# Altium PCB PCB 2 layer 10 x 10.PcbDoc (part 1 of 3) (continued)
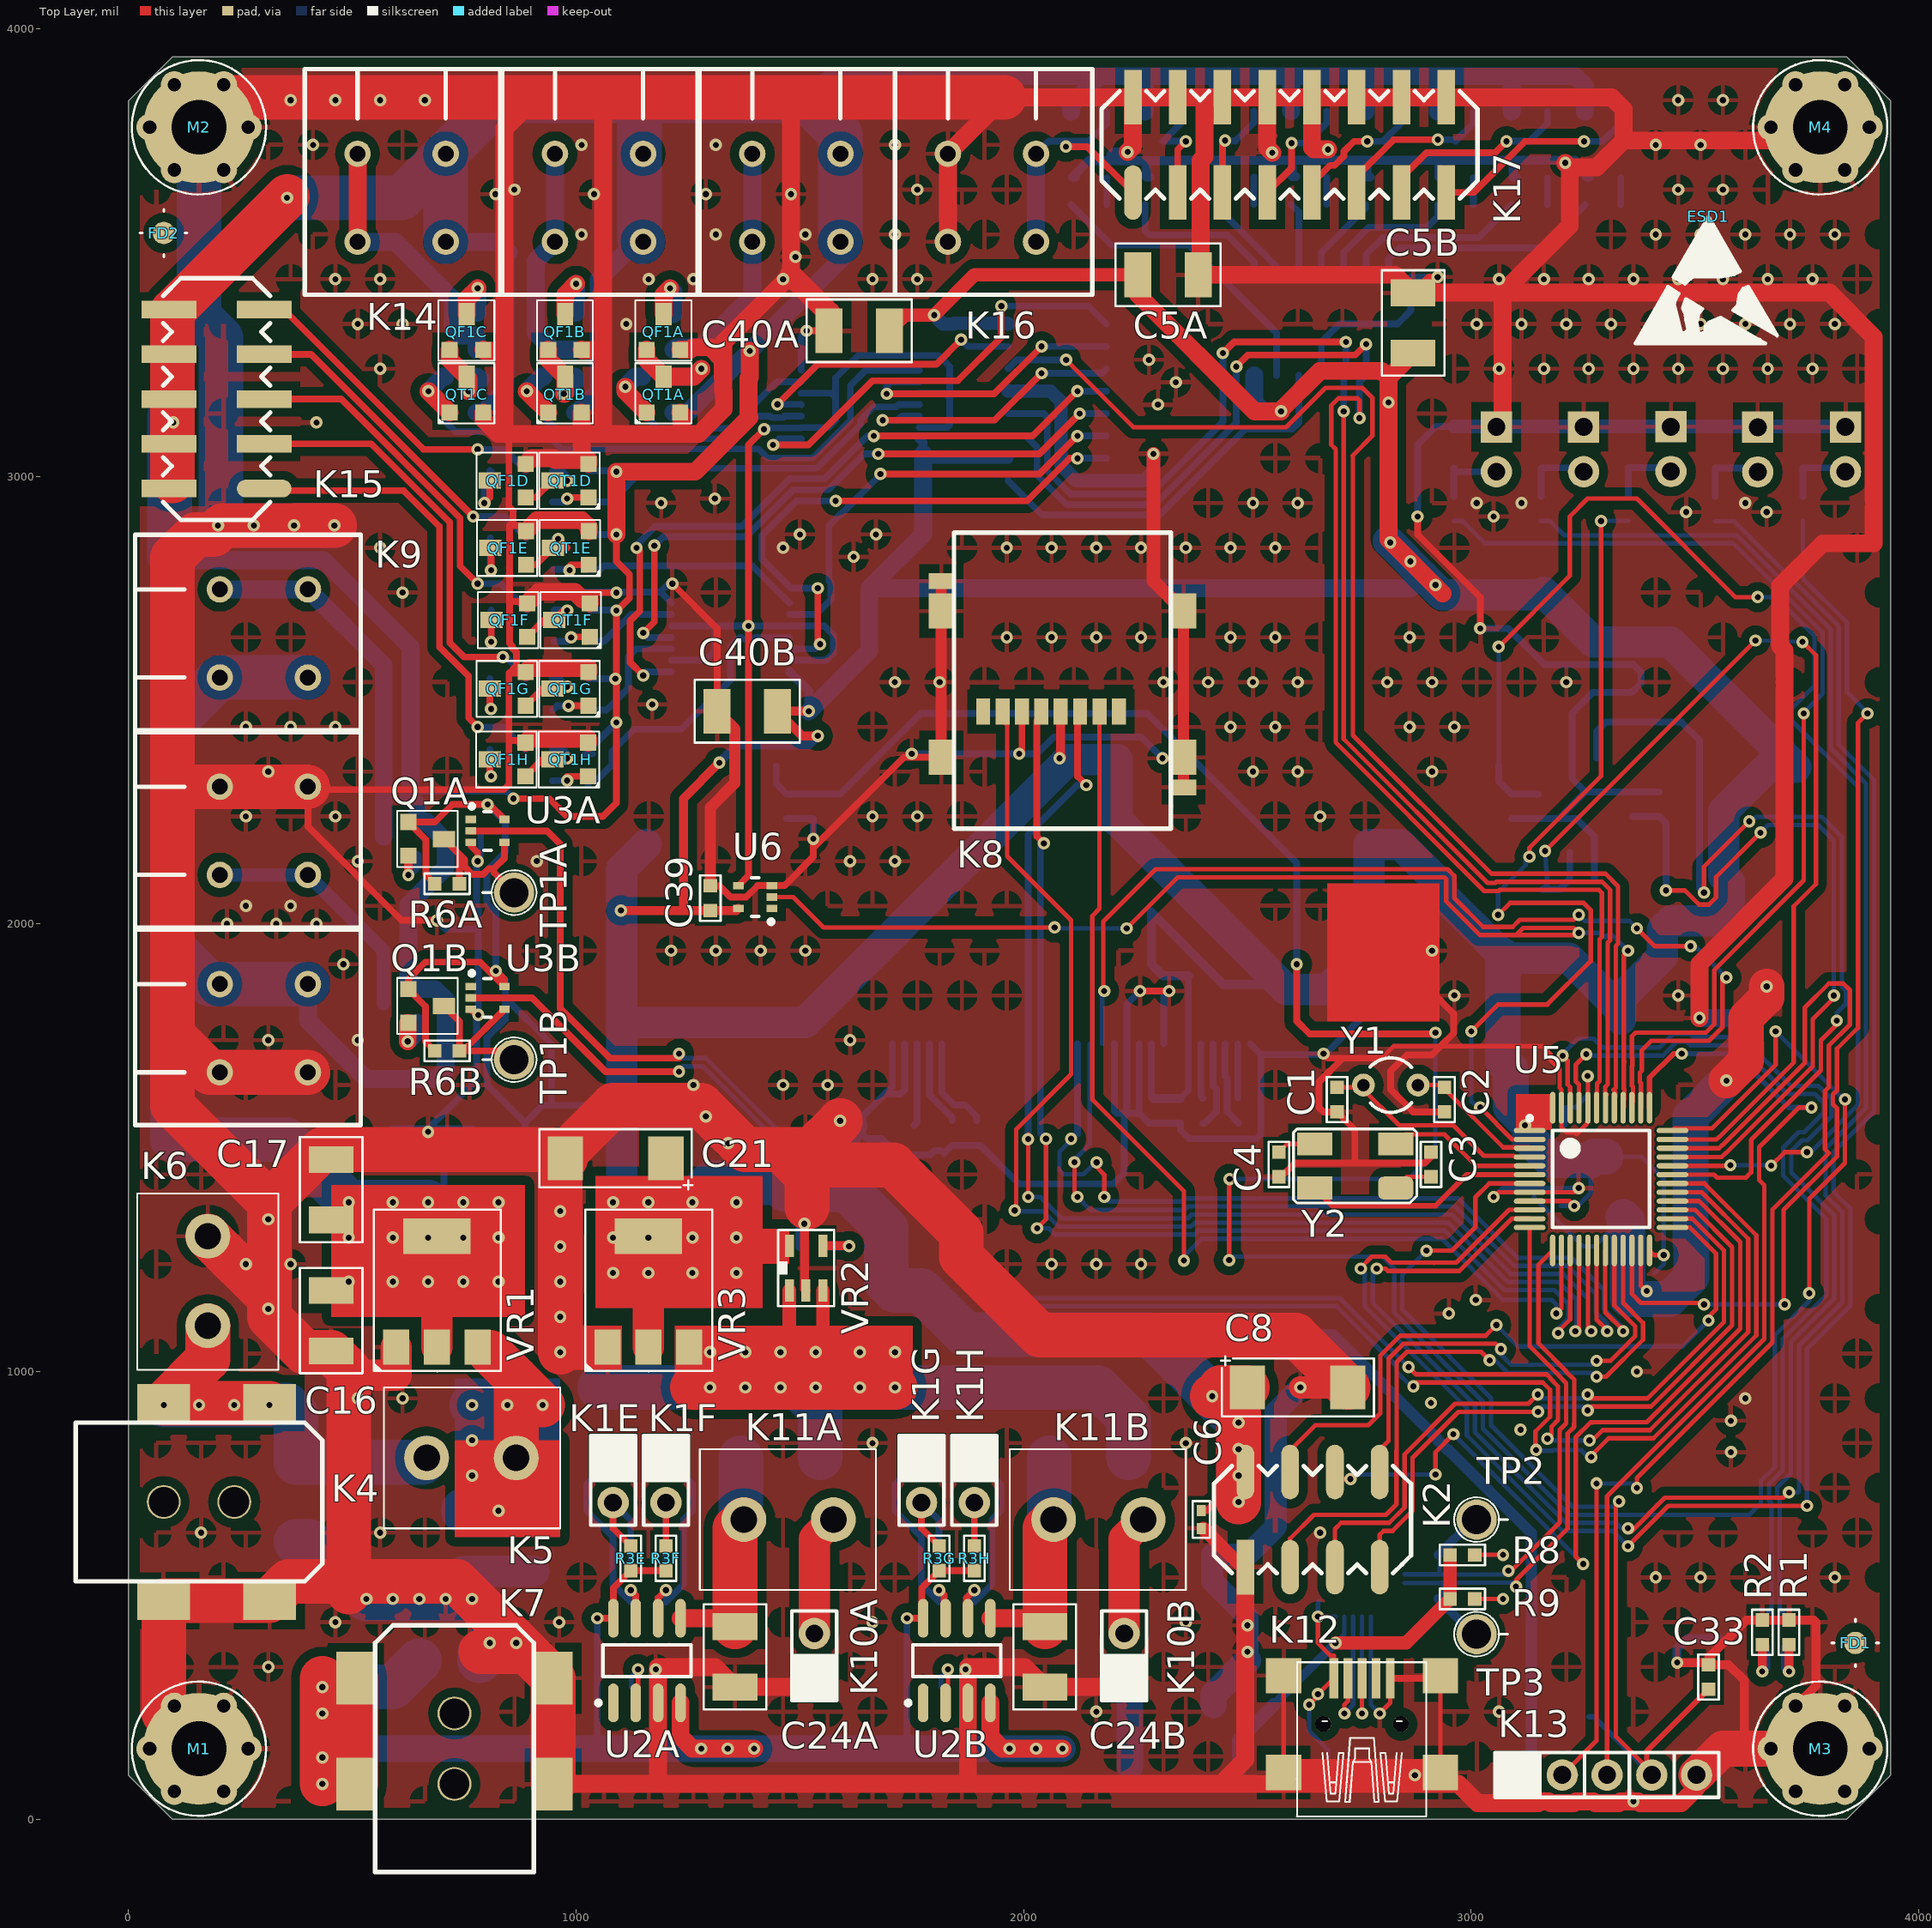
[diagram p0: Top Layer view]
## Design rules (kind name [scope] priority, off if disabled: settings) (continued)
RoomDefinition HC1 [InComponentClass('HC1')] p44: confinementstyle=ConfineIn formatcopy=TRUE lockcomponents=FALSE outline 1902.62,2942.48 1902.62,3377.48 2192.5,3377.48 2192.5,3532.5 2452.5,3532.5 2452.5,3367.5 2247.62,3367.5 2247.62,2942.48
RoomDefinition CLK [InComponentClass('CLK')] p45: confinementstyle=ConfineIn formatcopy=TRUE lockcomponents=FALSE outline 2534.5,1399.5 2534.5,1525.5 2589.8,1525.5 2589.8,1554.84 2664.5,1554.84 2664.5,1670.5 2719.39,1670.5 2719.39,1714.96 2920.61,1714.96 2920.61,1670.5 2975.5,1670.5 2975.5,1544.5 2945.5,1544.5 2945.5,1399.5 2891.3,1399.5 2891.3,1363.58 2589.8,1363.58 2589.8,1399.5
RoomDefinition CH1 [InComponentClass('CH1')] p46: confinementstyle=ConfineIn formatcopy=TRUE lockcomponents=FALSE outline 522.76,2115.37 522.76,2264.37 534.69,2264.37 534.69,2321.91 660.69,2321.91 660.69,2290.5 873.38,2290.5 873.38,2243.17 877.22,2243.17 877.22,2131.87 925.2,2131.87 925.2,2007.87 778.41,2007.87 778.41,2054.06 648.74,2054.06 648.74,2115.37
RoutingVias [All] p1: holewidth=13.78 width=27.56 viastyle="Through Hole" minholewidth=13.78 minwidth=27.56 maxholewidth=28 maxwidth=50
SilkToSilkClearance [All] p1: silktosilkclearance=0
SilkToSolderMaskClearance [IsPad] p1: minsilkscreentomaskgap=0 clearancetoexposedcopper=TRUE
SolderMaskExpansion [All] p1: expansion=4
UnpouredPolygon [All] p1: allowunpoured=FALSE
Width [All] p1: maxlimit=100 minlimit=10 preferedwidth=20
24 further rules are at their usual default settings.

## Classes and differential pairs
net class PB[0..4]: PB0 PB1 PB2 PB3 PB4
net class DIN[0..7]: DIN0 DIN1 DIN2 DIN3 DIN4 DIN5 DIN6 DIN7
component class STBY2: D2H K1H R3H
component class STBY1: D2F K1F R3F
component class SDLED: D2I K1I R3I
component class OLEDLED: D2D K1D R3D
component class nRFLED: D2C K1C R3C
component class IRLED: D2B K1B R3B
component class CHRG2: D2G K1G R3G
component class CHRG1: D2E K1E R3E
channel class "SSR POWER STAGE": SSR1 SSR2 SSR3 SSR4 SSR5 SSR6 SSR7 SSR8
channel class "Quad Nand": NAND1 NAND2
channel class "IR POWER STAGE": IR0 IR1 IR2 IR3 IR4 IR5 IR6 IR7
component class SSR: K16 K17
component class SSR8: QT2H R19H R20H
component class SSR7: QT2G R19G R20G
component class SSR6: QT2F R19F R20F
component class SSR5: QT2E R19E R20E
component class SSR4: QT2D R19D R20D
component class SSR3: QT2C R19C R20C
component class SSR2: QT2B R19B R20B
component class SSR1: QT2A R19A R20A
component class SD: K8
component class RTCLED: D2A K1A R3A
component class OLED: C9 C10 C11 C12 C13 C14 C15 K3 R4
component class NAND2: C40B U7B
component class NAND1: C40A U7A
component class IRL: C39 K14 K15 U6
component class IR7: QF1H QT1H R16H R17H R18H
component class IR6: QF1G QT1G R16G R17G R18G
component class IR5: QF1F QT1F R16F R17F R18F
component class IR4: QF1E QT1E R16E R17E R18E
component class IR3: QF1D QT1D R16D R17D R18D
component class IR2: QF1C QT1C R16C R17C R18C
component class IR1: QF1B QT1B R16B R17B R18B
component class IR0: QF1A QT1A R16A R17A R18A
component class CLK: C1 C2 C3 C4 Y1 Y2
channel class "WS2812B Single Channel": CH1 CH2
channel class LEDs: CHRG1 CHRG2 LD1 LD2 STBY1 STBY2
channel class HC595: HC1 HC2
component class WS: K9
component class UA: C26 C27 D7 D8 D9 K12 R8 R9 R10 TP2 TP3 U4
component class PS: C16 C17 C18 C19 C20 C21 C22 C23 D3 D4 D5 D6 K4 K5 K6 K7 VR1 VR2 VR3
component class PB: C28 C29 C30 C31 C32 R6 R7 R11 R12 R13 R14 R15 SW1 SW2 SW3 SW4 SW5
component class nRF: C6 C7 C8 K2
component class MCU: C33 C34 C35 C36 C37 C38 K13 SW6 U5
component class HC2: C5B U1B
component class HC1: C5A U1A
component class CH2: C25B Q1B Q2B R4_CH2 R5_CH2 R6B R7B TP1B U3B
component class CH1: C25A Q1A Q2A R4_CH1 R5_CH1 R6A R7A TP1A U3A
component class "General Overview": D1 ESD1 FD1 FD2 M1 M2 M3 M4 R1 R2
component class BAT1: C24A K10A K11A R2_BAT1 R3_BAT1 R5A U2A
component class BAT2: C24B K10B K11B R2_BAT2 R3_BAT2 R5B U2B
channel class Batterycharger: BAT1 BAT2
component class 3V30: D10A R21A
component class 5V00: D10B R21B
channel class "LEDs 0805": 3V30 5V00

## Components (designator, comment, footprint, x,y, rotation, side; value= is the part's Value field where it differs from the comment)
C1 "6n8" 0603C-GENERIC 2700,1580 r90 top
C2 "6n8" 0603C-GENERIC 2940,1580 r90 top
C3 "22pF" 0603C-GENERIC 2910,1490 r270 top
C4 "22pF" 0603C-GENERIC 2570,1490 r270 top
C5A "TBD" 1210C-GENERIC 2255,3450 r0 top (schematic designator C5)
C5B "TBD" 1210C-GENERIC 2870,3275 r90 top (schematic designator C5)
C6 "0402" 0402C-TBD 2396.57,649.61 r90 top
C7 "TBD" 1210C-GENERIC 2421.26,590.55 r90 bottom
C8 "2412 33u25V TANT" 2412C+_TANTAL-33u25V 2500,964.57 r0 top
C9 "TBD" 1210C-GENERIC 2795.28,1830.71 r90 bottom
C10 "1uF" 0603C-GENERIC 2490,1555 r90 bottom
C11 "1uF" 0603C-GENERIC 2400,1610 r270 bottom
C12 "1uF" 0603C-GENERIC 2350,1555 r90 bottom
C13 "1uF" 0603C-GENERIC 2290,1555 r90 bottom
C14 "2n2" 0603C-GENERIC 1840,1560 r270 bottom
C15 "TBD" 1210C-GENERIC 1620,1550 r0 bottom
C16 "TBD" 1210C-GENERIC 452.76,1181.1 r270 top
C17 "TBD" 1210C-GENERIC 452.76,1338.58 r90 top
C18 "TBD" 1210C-GENERIC 905.51,688.98 r270 bottom
C19 "TBD" 1210C-GENERIC 748.03,688.98 r270 bottom
C20 "10uF" 0603C-GENERIC 1555.12,1279.53 r180 bottom
C21 "2412 33u25V TANT" 2412C+_TANTAL-33u25V 1200.79,1476.38 r180 top
C22 "TBD" 1210C-GENERIC 649.61,354.33 r0 bottom
C23 "TBD" 1210C-GENERIC 1102.36,1515.75 r180 bottom
C24A "TBD" 1210C-GENERIC 1355.12,295.28 r90 top (schematic designator C24)
C24B "TBD" 1210C-GENERIC 2047.25,295.28 r90 top (schematic designator C24)
C25A "4n7" 0603C-TBD 841.72,2207.67 r180 bottom (schematic designator C25)
C25B "4n7" 0603C-TBD 841.72,1834.58 r180 bottom (schematic designator C25)
C26 "TBD" 1210C-GENERIC 2679.96,98.43 r0 bottom
C27 "TBD" 1210C-GENERIC 2559.06,255.91 r180 bottom
C28 "4n7" 0603C-TBD 1530,2290 r270 bottom
C29 "4n7" 0603C-TBD 3220,2160 r0 bottom
C30 "4n7" 0603C-TBD 3360,2240 r90 bottom
C31 "4n7" 0603C-TBD 3150,2290 r270 bottom
C32 "4n7" 0603C-TBD 3280,2370 r180 bottom
C33 "0603-100nF" 0603C-TBD 3530,290 r90 top
C34 "0402" 0402C-TBD 3170,1550 r0 bottom
C35 "0402" 0402C-TBD 3170,1590 r0 bottom
C36 "0402" 0402C-TBD 3200,1370 r90 bottom
C37 "0402" 0402C-TBD 3410,1220 r180 bottom
C38 "TBD" 1210C-GENERIC 3340,1480 r270 bottom
C39 "4n7" 0603C-TBD 1300,2030 r90 top
C40A "TBD" 1210C-GENERIC 1700,3325 r180 top (schematic designator C40)
C40B "TBD" 1210C-GENERIC 1450,2475 r180 top (schematic designator C40)
D1 "0603D RD GN Bicolor LED" "0606LED BiCOLOR" 3680,410 r270 bottom
D2A "0805" 0805LED 3351,3065.5 r90 bottom (schematic designator D2)
D2B "0805" 0805LED 2961,3065 r90 bottom (schematic designator D2)
D2C "0805" 0805LED 3741,3065 r90 bottom (schematic designator D2)
D2D "0805" 0805LED 3545,3064.5 r90 bottom (schematic designator D2)
D2E "0805" 0805LED 1122.05,531.5 r270 bottom (schematic designator D2)
D2F "0805" 0805LED 1200.79,531.5 r270 bottom (schematic designator D2)
D2G "0805" 0805LED 1811.02,531.5 r270 bottom (schematic designator D2)
D2H "0805" 0805LED 1889.76,531.5 r270 bottom (schematic designator D2)
D2I "0805" 0805LED 3156,3065 r90 bottom (schematic designator D2)
D3 "Diode" SMB 374.02,708.66 r90 bottom
D4 "Diode" SMB 964.57,964.57 r0 bottom
D5 "Diode" SMB 1456.69,807.09 r0 bottom
D6 "Diode" SMB 2145.67,807.09 r0 bottom
D7 "0805" 0805LED 2972.44,590.55 r180 bottom
D8 "0805" 0805LED 2972.44,492.13 r180 bottom
D9 "0805" 0805LED 2283.46,78.74 r180 bottom
D10A "0805" 0805LED 767.72,1515.75 r90 bottom (schematic designator D10)
D10B "0805" 0805LED 590.55,1515.75 r90 bottom (schematic designator D10)
ESD1 "ESD" ESDSILK 3530,3580 r0 top
FD1 "FIDU-ROUND" FIDU-ROUND 3858.27,393.7 r0 top
FD2 "FIDU-ROUND" FIDU-ROUND 78.74,3543.31 r0 top
K1A "HEADER-1X2" HEADER-1X2 3446,3110.5 r180 bottom (schematic designator K1)
K1B "HEADER-1X2" HEADER-1X2 3056,3110 r180 bottom (schematic designator K1)
K1C "HEADER-1X2" HEADER-1X2 3836,3110 r180 bottom (schematic designator K1)
K1D "HEADER-1X2" HEADER-1X2 3640,3109.5 r180 bottom (schematic designator K1)
K1E "HEADER-1X2" HEADER-1X2 1082.68,807.09 r0 top (schematic designator K1)
K1F "HEADER-1X2" HEADER-1X2 1200.79,807.09 r0 top (schematic designator K1)
K1G "HEADER-1X2" HEADER-1X2 1771.65,807.09 r0 top (schematic designator K1)
K1H "HEADER-1X2" HEADER-1X2 1889.76,807.09 r0 top (schematic designator K1)
K1I "HEADER-1X2" HEADER-1X2 3251,3110 r180 bottom (schematic designator K1)
K2 "Communication_ISM_nRF24L01+" nRF24L01+_SMD 2795.28,669.29 r270 top
K3 "SSD1306_128x64_OLED" SSD1306_128x64_OLED 2106.3,1692.91 r180 bottom
K4 "ADC_028" ADC-028 -118.11,708.66 r270 top
K5 "Connector_Terminal_THT_PRKR2 - Detachable" PRKR2-DET 866.14,807.09 r90 top
K6 "Screwterminal" PRKR2-DET 177.17,1102.36 r0 top
K7 "ADC_028" ADC-028 728.35,-118.11 r0 top
K8 "SCHD3A0100" SCHD3A0100 2086.61,2874.02 r0 top
K9 "Connector_Terminal_THT_KF235-5.0-6p" KF235-5.0-6p 400.83,1668.54 r0 top
K10A "HEADER-1X2" HEADER-1X2 1532.28,314.96 r180 top (schematic designator K10)
K10B "HEADER-1X2" HEADER-1X2 2224.41,314.96 r180 top (schematic designator K10)
K11A "Connector_Terminal_THT_PRKR2 - Detachable" PRKR2-DET 1374.8,669.29 r270 top (schematic designator K11)
K11B "Connector_Terminal_THT_PRKR2 - Detachable" PRKR2-DET 2066.93,669.29 r270 top (schematic designator K11)
K12 "USB_F_MINI" USB_F_MINI 2755.91,314.96 r90 top
K13 "SWD-1X5" HEADER-1X5 3103.31,98.78 r90 top
K14 "Connector_Terminal_THT_KF235-5.0-6p" KF235-5.0-6p 511.81,3523.62 r270 top
K15 "Header_M_SMD_5x2" "Header_Male_2.54 5x2" 196.85,2972.44 r180 top
K16 "Connector_Terminal_THT_KF235-5.0-2p" KF235-5.0-2p 1830.71,3523.62 r270 top
K17 "Header_M_SMD_8x2" "Header_Male_2.54 8x2" 2244.09,3740.16 r90 top
M1 "M" MOUNTING 157.48,157.48 r0 top
M2 "M" MOUNTING 157.48,3779.53 r0 top
M3 "M" MOUNTING 3779.53,157.48 r0 top
M4 "M" MOUNTING 3779.53,3779.53 r0 top
Q1A "BSS138" SOT23-GDS 625.19,2227.35 r0 top (schematic designator Q1)
Q1B "BSS138" SOT23-GDS 625.19,1854.26 r0 top (schematic designator Q1)
Q2A "BSS138" SOT23-GDS 644.87,2227.35 r180 bottom (schematic designator Q2)
Q2B "BSS138" SOT23-GDS 644.87,1854.26 r180 bottom (schematic designator Q2)
QF1A "BSS138" SOT23-GDS 1157.5,3282.5 r90 top (schematic designator QF1)
QF1B "BSS138" SOT23-GDS 937.5,3282.5 r90 top (schematic designator QF1)
QF1C "BSS138" SOT23-GDS 717.5,3282.5 r90 top (schematic designator QF1)
QF1D "BSS138" SOT23-GDS 887.5,2952.5 r180 top (schematic designator QF1)
QF1E "BSS138" SOT23-GDS 888.37,2802.26 r180 top (schematic designator QF1)
QF1F "BSS138" SOT23-GDS 890.83,2641.02 r180 top (schematic designator QF1)
QF1G "BSS138" SOT23-GDS 887.5,2487.5 r180 top (schematic designator QF1)
QF1H "BSS138" SOT23-GDS 887.05,2329.76 r180 top (schematic designator QF1)
QT1A "BC847B" SOT23-BCE 1157.5,3142.5 r90 top (schematic designator QT1)
QT1B "BC847B" SOT23-BCE 937.5,3142.5 r90 top (schematic designator QT1)
QT1C "BC847B" SOT23-BCE 717.5,3142.5 r90 top (schematic designator QT1)
QT1D "BC847B" SOT23-BCE 1027.5,2952.5 r180 top (schematic designator QT1)
QT1E "BC847B" SOT23-BCE 1028.37,2802.26 r180 top (schematic designator QT1)
QT1F "BC847B" SOT23-BCE 1030.83,2641.02 r180 top (schematic designator QT1)
QT1G "BC847B" SOT23-BCE 1027.5,2487.5 r180 top (schematic designator QT1)
QT1H "BC847B" SOT23-BCE 1027.05,2329.76 r180 top (schematic designator QT1)
QT2A "BC847B" SOT23-BCE 2183.85,3668.56 r90 bottom (schematic designator QT2)
QT2B "BC847B" SOT23-BCE 2349.2,3668.56 r90 bottom (schematic designator QT2)
QT2C "BC847B" SOT23-BCE 2511.99,3669.82 r90 bottom (schematic designator QT2)
QT2D "BC847B" SOT23-BCE 2675.34,3669.48 r90 bottom (schematic designator QT2)
QT2E "BC847B" SOT23-BCE 2841.33,3668.56 r90 bottom (schematic designator QT2)
QT2F "BC847B" SOT23-BCE 3002.74,3668.56 r90 bottom (schematic designator QT2)
QT2G "BC847B" SOT23-BCE 3168.1,3668.56 r90 bottom (schematic designator QT2)
QT2H "BC847B" SOT23-BCE 3331.89,3668.49 r90 bottom (schematic designator QT2)
R1 "1K" 0603R-1k 3710,390 r90 top
R2 "1K" 0603R-1k 3650,390 r90 top
R3A "0603R-1K5" 0603R-1k5 3351,2955.5 r270 bottom (schematic designator R3)
R3B "0603R-1K5" 0603R-1k5 2961,2955 r270 bottom (schematic designator R3)
R3C "0603R-1K5" 0603R-1k5 3741,2955 r270 bottom (schematic designator R3)
R3D "0603R-1K5" 0603R-1k5 3545,2954.5 r270 bottom (schematic designator R3)
R3E "0603R-1K5" 0603R-1k5 1122.05,610.24 r270 top (schematic designator R3)
R3F "0603R-1K5" 0603R-1k5 1200.79,610.24 r270 top (schematic designator R3)
R3G "0603R-1K5" 0603R-1k5 1811.02,610.24 r270 top (schematic designator R3)
R3H "0603R-1K5" 0603R-1k5 1889.76,610.24 r270 top (schematic designator R3)
R3I "0603R-1K5" 0603R-1k5 3156,2955 r270 bottom (schematic designator R3)
R4 "330K" 0603R-330K 1895,1505 r90 bottom
R5A "1K2" 0603R-GENERIC 1177.95,295.28 r180 bottom (schematic designator R5)
R5B "1K2" 0603R-GENERIC 1870.08,295.28 r180 bottom (schematic designator R5)
R6A "1K" 0603R-1k 684.24,2089.56 r0 top (schematic designator R6)
R6B "1K" 0603R-1k 684.24,1716.47 r0 top (schematic designator R6)
R7A "1K" 0603R-1k 625.19,2286.41 r180 bottom (schematic designator R7)
R7B "1K" 0603R-1k 625.19,1913.32 r180 bottom (schematic designator R7)
R8 "0603R-1K5" 0603R-1k5 2952.76,590.55 r0 top
R9 "0603R-1K5" 0603R-1k5 2952.76,492.13 r0 top
R10 "0603R-1K5" 0603R-1k5 2480.31,78.74 r180 bottom
R11 "10K" 0603R-10K 1470,2290 r270 bottom
R12 "10K" 0603R-10K 3220,2100 r0 bottom
R13 "10K" 0603R-10K 3420,2240 r90 bottom
R14 "10K" 0603R-10K 3090,2290 r270 bottom
R15 "10K" 0603R-10K 3280,2430 r180 bottom
R16A "330R" 0805R-330 1217.5,3282.5 r90 bottom (schematic designator R16)
R16B "330R" 0805R-330 997.5,3282.5 r90 bottom (schematic designator R16)
R16C "330R" 0805R-330 777.5,3282.5 r90 bottom (schematic designator R16)
R16D "330R" 0805R-330 887.5,3012.5 r180 bottom (schematic designator R16)
R16E "330R" 0805R-330 888.37,2862.26 r180 bottom (schematic designator R16)
R16F "330R" 0805R-330 890.83,2701.02 r180 bottom (schematic designator R16)
R16G "330R" 0805R-330 887.5,2547.5 r180 bottom (schematic designator R16)
R16H "330R" 0805R-330 887.05,2389.76 r180 bottom (schematic designator R16)
R17A "220R" 0805R-220 1217.5,3152.5 r90 bottom (schematic designator R17)
R17B "220R" 0805R-220 997.5,3152.5 r90 bottom (schematic designator R17)
R17C "220R" 0805R-220 777.5,3152.5 r90 bottom (schematic designator R17)
R17D "220R" 0805R-220 1017.5,3012.5 r180 bottom (schematic designator R17)
R17E "220R" 0805R-220 1018.37,2862.26 r180 bottom (schematic designator R17)
R17F "220R" 0805R-220 1020.83,2701.02 r180 bottom (schematic designator R17)
R17G "220R" 0805R-220 1017.5,2547.5 r180 bottom (schematic designator R17)
R17H "220R" 0805R-220 1017.05,2389.76 r180 bottom (schematic designator R17)
R18A "220R" 0805R-220 1147.5,3152.5 r90 bottom (schematic designator R18)
R18B "220R" 0805R-220 927.5,3152.5 r90 bottom (schematic designator R18)
R18C "220R" 0805R-220 707.5,3152.5 r90 bottom (schematic designator R18)
R18D "220R" 0805R-220 1017.5,2942.5 r180 bottom (schematic designator R18)
R18E "220R" 0805R-220 1018.37,2792.26 r180 bottom (schematic designator R18)
R18F "220R" 0805R-220 1020.83,2631.02 r180 bottom (schematic designator R18)
R18G "220R" 0805R-220 1017.5,2477.5 r180 bottom (schematic designator R18)
R18H "220R" 0805R-220 1017.05,2319.76 r180 bottom (schematic designator R18)
R19A "330R" 0805R-330 2105.85,3814.56 r0 bottom (schematic designator R19)
R19B "330R" 0805R-330 2271.2,3814.56 r0 bottom (schematic designator R19)
R19C "330R" 0805R-330 2433.99,3815.82 r0 bottom (schematic designator R19)
R19D "330R" 0805R-330 2597.34,3815.48 r0 bottom (schematic designator R19)
R19E "330R" 0805R-330 2763.33,3814.56 r0 bottom (schematic designator R19)
R19F "330R" 0805R-330 2924.74,3814.56 r0 bottom (schematic designator R19)
R19G "330R" 0805R-330 3090.1,3814.56 r0 bottom (schematic designator R19)
R19H "330R" 0805R-330 3253.89,3814.49 r0 bottom (schematic designator R19)
R20A "1K" 0805R-1K 2115.85,3606.56 r0 bottom (schematic designator R20)
R20B "1K" 0805R-1K 2281.2,3606.56 r0 bottom (schematic designator R20)
R20C "1K" 0805R-1K 2443.99,3607.82 r0 bottom (schematic designator R20)
R20D "1K" 0805R-1K 2607.34,3607.48 r0 bottom (schematic designator R20)
R20E "1K" 0805R-1K 2773.33,3606.56 r0 bottom (schematic designator R20)
R20F "1K" 0805R-1K 2934.74,3606.56 r0 bottom (schematic designator R20)
R20G "1K" 0805R-1K 3100.1,3606.56 r0 bottom (schematic designator R20)
R20H "1K" 0805R-1K 3263.89,3606.49 r0 bottom (schematic designator R20)
R21A "0603R-1K5" 0603R-1k5 826.77,1476.38 r0 bottom (schematic designator R21)
R21B "0603R-1K5" 0603R-1k5 649.61,1476.38 r0 bottom (schematic designator R21)
SW1 "SW-PB-BLACK-SMD" SW-PB-SMD 1437.01,2342.52 r180 bottom
SW2 "SW-PB-BLACK-SMD" SW-PB-SMD 3169.29,2066.93 r270 bottom
SW3 "SW-PB-BLACK-SMD" SW-PB-SMD 3444.88,2185.04 r0 bottom
SW4 "SW-PB-BLACK-SMD" SW-PB-SMD 3051.18,2342.52 r180 bottom
SW5 "SW-PB-BLACK-SMD" SW-PB-SMD 3326.77,2460.63 r90 bottom
SW6 "SW-PB-BLACK-SMD" SW-PB-SMD 3273.31,238.78 r0 bottom
TP1A "TESTPOINT" TESTPOINT 861.41,2069.87 r180 top (schematic designator TP1)
TP1B "TESTPOINT" TESTPOINT 861.41,1696.78 r180 top (schematic designator TP1)
TP2 "TESTPOINT" TESTPOINT 3011.81,669.29 r0 top
TP3 "TESTPOINT" TESTPOINT 3011.81,413.39 r0 top
U1A "74595" SO16 2185,3340 r180 bottom (schematic designator U1)
U1B "74595" SO16 2515,3445 r270 bottom (schematic designator U1)
U2A "TP4056" SO8_N 1158.27,354.33 r90 top (schematic designator U2)
U2B "TP4056" SO8_N 1850.39,354.33 r90 top (schematic designator U2)
U3A "74LVC1G17" SOT-353 802.35,2207.67 r0 top (schematic designator U3)
U3B "74LVC1G17" SOT-353 802.35,1834.58 r0 top (schematic designator U3)
U4 "CP2102" QFN-28 2814.96,452.76 r90 bottom
U5 "STM32F051C8T6" LQFP48_N 3290,1430 r0 top
U6 "74LVC1G17" SOT-353 1400,2060 r180 top
U7A "74132" SSOP14 1635,3160 r0 bottom (schematic designator U7)
U7B "74132" SSOP14 1345,2640 r0 bottom (schematic designator U7)
VR1 "AMS1117-5V0-SOT223" SOT223 688.98,1161.42 r0 top
VR2 "LD2985" SOT23-5 1476.38,1181.1 r90 top
VR3 "LD1117-SOT223" SOT223 1161.42,1161.42 r0 top
Y1 "XTAL" R38 2820,1640 r90 top
Y2 "6035" "XTAL 6035" 2740.55,1459.21 r180 top

## Footprints (in the part's own frame and the unit in brackets; to place one, negate y for a bottom-side part, rotate by r counter-clockwise, add the part's x,y. Pads: shape width x height; smd on the part's side, far side on the other; paste and mask are expansions set on the pad)
0402C-TBD [mil]
  rect 25x20 smd: 1(0,0) 2(40,0)
  silkscreen extent -21,-19 61,19, body extent 2,-9 39,9, height 19
0603C-GENERIC [mil] "CAPACITOR 0603"
  rect 30x30 smd: 1(0,0) 2(55,0)
  silkscreen extent -23,-23 78,23, body extent -4,-15 59,15, height 19
0603C-TBD [mil] "CAPACITOR 0603 TBD"
  rect 30x30 smd: 1(0,0) 2(55,0)
  silkscreen extent -23,-23 78,23, body extent -4,-15 59,15, height 19
0603R-1k [mil] "RESISTOR 0603"
  rect 30x30 smd: 1(0,0) 2(55,0)
  silkscreen extent -23,-23 78,23, body extent -4,-15 59,15, height 20
0603R-1k5 [mil] "RESISTOR 0603"
  rect 30x30 smd: 1(0,0) 2(55,0)
  silkscreen extent -23,-23 78,23, body extent -4,-15 59,15, height 20
0603R-10K [mil] "RESISTOR 0603"
  rect 30x30 smd: 1(0,0) 2(55,0)
  silkscreen extent -23,-23 78,23, body extent -4,-15 59,15, height 20
0603R-330K [mil] "RESISTOR 0603"
  rect 30x30 smd: 1(0,0) 2(55,0)
  silkscreen extent -23,-23 78,23, body extent -4,-15 59,15, height 20
0603R-GENERIC [mil] "RESISTOR 0603"
  rect 30x30 smd: 1(0,0) 2(55,0)
  silkscreen extent -23,-23 78,23, body extent -4,-15 59,15, height 19
"0606LED BiCOLOR" [mm]
  oval 0.7x0.4 smd: A1(-0.65,0.55) A2(-0.65,-0.55)
  rect 0.7x0.4 smd: K1(0.65,0.55) K2(0.65,-0.55)
  silkscreen extent 1.2,-0.7 1.2,0.8
0805LED [mm]
  rect 1.25x1.1 smd: A(-1.175,0) K(1.175,0)
  silkscreen extent 2.1,-0.6 2.1,0.59
0805R-1K [mil] "RESISTOR 0805"
  rect 40x50 smd: 1(-10,0) 2(70,0)
  silkscreen extent -40,-35 100,35, body extent -11,-25 70,25, height 27
0805R-220 [mil] "RESISTOR 0805"
  rect 40x50 smd: 1(-10,0) 2(70,0)
  silkscreen extent -40,-35 100,35, body extent -11,-25 70,25, height 27
0805R-330 [mil] "RESISTOR 0805"
  rect 40x50 smd: 1(0,0) 2(80,0)
  silkscreen extent -30,-35 110,35, body extent -1,-25 80,25, height 27
1210C-GENERIC [mil]
  rect 60x100 smd: 1(0,0) 2(135,0)
  silkscreen extent -50,-70 185,70, body extent -10,-50 145,50, height 46
2412C+_TANTAL-33u25V [mm] "33uF - 25V"
  rect 2x2.5 smd: 1(0,0) 2(5.7,0)
  silkscreen extent -1.51,-1.65 7.18,1.77, body extent -0.3,-1.75 6,1.75, height 2.65
ADC-028 [mm]
  round 1.924 hole 1.7: 0(0,5) 1(0,9)
  rect 2.2x3 smd: GND(5.6,11) GND(5.6,5) VCC(-5.6,11) VCC(-5.6,5)
  silkscreen extent -4.5,0 4.5,14
ESDSILK [mil]
  silkscreen extent -164,-283 154,0
FIDU-ROUND [mil]
  round 50 smd: M1(0,0)
  silkscreen extent -53,-53 52,53
HEADER-1X2 [mil]
  rect 70x70 hole 40: 1(0,0)
  round 70 hole 40: 2(0,-100)
  silkscreen extent -50,-150 50,50, body extent -50,-150 50,50, height 470
HEADER-1X5 [mil]
  rect 70x70 hole 40: 1(0,0)
  round 70 hole 40: 2(0,-100) 3(0,-200) 4(0,-300) 5(0,-400)
  silkscreen extent -50,-450 50,50, body extent -50,-450 50,50, height 470
"Header_Male_2.54 5x2" [mm]
  oval 3.1x1 smd: 1(-2.7,0)
  rect 3.1x1 smd: 2(2.7,0) 3(-2.7,-2.54) 4(2.7,-2.54) 5(-2.7,-5.08) 6(2.7,-5.08) 7(-2.7,-7.62) 8(2.7,-7.62) 9(-2.7,-10.16) 10(2.7,-10.16)
  silkscreen extent -3.05,-11.94 3.05,1.78
"Header_Male_2.54 8x2" [mm]
  oval 3.1x1 smd: 1(-2.7,0)
  rect 3.1x1 smd: 2(2.7,0) 3(-2.7,-2.54) 4(2.7,-2.54) 5(-2.7,-5.08) 6(2.7,-5.08) 7(-2.7,-7.62) 8(2.7,-7.62) 9(-2.7,-10.16) 10(2.7,-10.16) 11(-2.7,-12.7) 12(2.7,-12.7) 13(-2.7,-15.24) 14(2.7,-15.24) 15(-2.7,-17.78) 16(2.7,-17.78)
  silkscreen extent -3.05,-19.56 3.05,1.78
KF235-5.0-2p [mm] "Springterminal"
  round 1.5 hole 0.9: 1(-5,0) 1(0,0) 2(-5,5) 2(0,5)
  silkscreen extent -9.8,-3 3,8.2
KF235-5.0-6p [mm] "Springterminal"
  round 1.5 hole 0.9: 1(-5,0) 1(0,0) 2(-5,5) 2(0,5) 3(-5,11.2) 3(0,11.2) 4(-5,16.2) 4(0,16.2) 5(-5,22.4) 5(0,22.4) 6(-5,27.4) 6(0,27.4)
  silkscreen extent -9.8,-3 3,30.5
LQFP48_N [mm] "Thin QFP, 48-Leads, Body 7x7mm, Pitch 0.5mm, IPC Medium Density"
  oval 1.8x0.3 smd: 1(-4.05,2.75) 2(-4.05,2.25) 3(-4.05,1.75) 4(-4.05,1.25) 5(-4.05,0.75) 6(-4.05,0.25) 7(-4.05,-0.25) 8(-4.05,-0.75) 9(-4.05,-1.25) 10(-4.05,-1.75) 11(-4.05,-2.25) 12(-4.05,-2.75) 25(4.05,-2.75) 26(4.05,-2.25) 27(4.05,-1.75) 28(4.05,-1.25) 29(4.05,-0.75) 30(4.05,-0.25) 31(4.05,0.25) 32(4.05,0.75) 33(4.05,1.25) 34(4.05,1.75) 35(4.05,2.25) 36(4.05,2.75)
  oval 0.3x1.8 smd: 13(-2.75,-4.05) 14(-2.25,-4.05) 15(-1.75,-4.05) 16(-1.25,-4.05) 17(-0.75,-4.05) 18(-0.25,-4.05) 19(0.25,-4.05) 20(0.75,-4.05) 21(1.25,-4.05) 22(1.75,-4.05) 23(2.25,-4.05) 24(2.75,-4.05) 37(2.75,4.05) 38(2.25,4.05) 39(1.75,4.05) 40(1.25,4.05) 41(0.75,4.05) 42(0.25,4.05) 43(-0.25,4.05) 44(-0.75,4.05) 45(-1.25,4.05) 46(-1.75,4.05) 47(-2.25,4.05) 48(-2.75,4.05)
  silkscreen extent -4.17,-2.75 2.75,3.57, body extent -3.5,-3.5 3.5,3.5, height 1.6
MOUNTING [mil]
  round 250 hole 122.05: 1(0,0)
  round 60 hole 30: 2(-55,95.26) 3(55,95.26) 4(110,0) 5(55,-95.26) 6(-55,-95.26) 7(-110,0)
  silkscreen extent -150,-150 150,150
nRF24L01+_SMD [mm]
  rect 3.1x1 smd: 1(2.7,-7.62)
  oval 3.1x1 smd: 2(-2.7,-7.62) 3(2.7,-5.08) 4(-2.7,-5.08) 5(2.7,-2.54) 6(-2.7,-2.54) 7(2.7,0) 8(-2.7,0)
  silkscreen extent -3.05,-9.4 3.05,1.78
PRKR2-DET [mm]
  round 2.54 hole 1.505: 1(0,0) 2(0,5.08)
  silkscreen extent -4,-2.5 4,7.5
QFN-28 [mm]
  round 0.2 on Bottom Overlay: 0(0.3,0.6)
  rect 3.25x3.25 smd: 0(2.4,-1.5)
  rrect50% 0.9x0.25 smd: 1(0,0)
  rect 0.9x0.25 smd: 2(0,-0.5) 3(0,-1) 4(0,-1.5) 5(0,-2) 6(0,-2.5) 7(0,-3) 15(4.8,-3) 16(4.8,-2.5) 17(4.8,-2) 18(4.8,-1.5) 19(4.8,-1) 20(4.8,-0.5) 21(4.8,0)
  rect 0.25x0.9 smd: 8(0.9,-3.9) 9(1.4,-3.9) 10(1.9,-3.9) 11(2.4,-3.9) 12(2.9,-3.9) 13(3.4,-3.9) 14(3.9,-3.9) 22(3.9,0.9) 23(3.4,0.9) 24(2.9,0.9) 25(2.4,0.9) 26(1.9,0.9) 27(1.4,0.9) 28(0.9,0.9)
  silkscreen extent -0.1,-4 4.9,1
R38 [mm] "Crystal, Thru-Hole; 2 Leads; Body 3.1 x 8.2 mm (Dia.xH)"
  round 1.3 hole 0.7: 1(0,1.55) 2(0,-1.55)
  silkscreen extent -1.55,-1.19 1.55,1.17
SCHD3A0100 [mm]
  rect 0.8x1.5 smd: 1(3.2,-10.15) 2(2.1,-10.15) 3(1,-10.15) 4(-0.1,-10.15) 5(-1.2,-10.15) 6(-2.3,-10.15) 7(-3.4,-10.15) 8(-4.5,-10.15)
  rect 1.45x2 smd: 6(-6.875,-12.75) 6(-6.875,-4.45) 6(6.875,-12.75) 6(6.875,-4.45)
  rect 1.45x0.9 smd: 6(-6.875,-2.75) 6(6.875,-14.45)
  silkscreen extent -6.15,-16.8 6.15,0
SMB [mm] "DO-214-AA/SMB; 2 C-Bend Leads; Body 5.3 x 3.6 mm, inc. leads (LxW)"
  rect 2.3x2.3 smd: 1(-2.25,0) 2(2.25,0)
  silkscreen extent -3.8,-1.55 4.1,1.55
SO8_N [mm] "SOIC, 8-Leads, Body 4.9x3.9mm, Pitch 1.27mm, IPC Medium Density"
  oval 2.2x0.6 smd: 1(-2.4,1.905) 2(-2.4,0.635) 3(-2.4,-0.635) 4(-2.4,-1.905) 5(2.4,-1.905) 6(2.4,-0.635) 7(2.4,0.635) 8(2.4,1.905)
  silkscreen extent -2.52,-2.5 0.9,2.88, body extent -2,-2.5 2,2.5, height 1.75
SO16 [mil]
  rect 80x24 smd: 1(0,0)
  oval 80x24 smd: 2(0,-50) 3(0,-100) 4(0,-150) 5(0,-200) 6(0,-250) 7(0,-300) 8(0,-350) 9(220,-350) 10(220,-300) 11(220,-250) 12(220,-200) 13(220,-150) 14(220,-100) 15(220,-50) 16(220,0)
  silkscreen extent -50,-385 270,25, body extent -20,-385 240,25, height 61
SOT23-5 [mil]
  rect 50x20 smd: 1(0,0) 2(0,-37) 3(0,-75) 4(100,-75) 5(100,0)
  silkscreen extent -35,-100 135,25, body extent 2,-95 98,20, height 52
SOT23-BCE [mil]
  rect 36x36 smd: B(0,0) E(0,-75)
  rect 50x36 smd: C(80,-38)
  silkscreen extent -25,-100 110,25, body extent -3,-95 94,20, height 41
SOT23-GDS [mil]
  rect 50x36 smd: D(80,-38)
  rect 36x36 smd: G(0,0) S(0,-75)
  silkscreen extent -25,-100 110,25, body extent -3,-95 94,20, height 41
SOT223 [mil]
  rect 59x79 smd: 1(-91,-107) 2(0,-107) 3(91,-107)
  rect 150x79 smd: 4(0,141)
  silkscreen extent -141,-161 143,200, body extent -131,-105 135,162, height 51
SOT-353 [mm] "SOT353"
  rect 0.6x0.42 smd: 1(-0.95,0.65) 2(-0.95,0) 3(-0.95,-0.65) 4(0.95,-0.65) 5(0.95,0.65)
  silkscreen extent -1.02,-1.1 0.2,1.52
SSD1306_128x64_OLED [mm]
  rect 0.4x4 smd: 1(-10.15,1) 10(-3.85,1) 20(3.15,1) 30(10.15,1)
  oval 0.4x4 smd: 2(-9.45,1) 3(-8.75,1) 4(-8.05,1) 5(-7.35,1) 6(-6.65,1) 7(-5.95,1) 8(-5.25,1) 9(-4.55,1) 11(-3.15,1) 12(-2.45,1) 13(-1.75,1) 14(-1.05,1) 15(-0.35,1) 16(0.35,1) 17(1.05,1) 18(1.75,1) 19(2.45,1) 21(3.85,1) 22(4.55,1) 23(5.25,1) 24(5.95,1) 25(6.65,1) 26(7.35,1) 27(8.05,1) 28(8.75,1) 29(9.45,1)
  silkscreen extent -13.5,0 13.5,31.25
SSOP14 [mm] "SOP, 14"
  oval 2.1x0.45 smd: 1(-3.35,1.95) 2(-3.35,1.3) 3(-3.35,0.65) 4(-3.35,0) 5(-3.35,-0.65) 6(-3.35,-1.3) 7(-3.35,-1.95) 8(3.35,-1.95) 9(3.35,-1.3) 10(3.35,-0.65) 11(3.35,0) 12(3.35,0.65) 13(3.35,1.3) 14(3.35,1.95)
  silkscreen extent -3.57,-3.25 2,3.25, body extent -2.7,-3.25 2.7,3.25, height 2
SW-PB-SMD [mil]
  rect 100x50 smd: 1(-10,10)
  oval 100x50 smd: 2(280,-165) 3(-10,-165) 4(280,10)
  silkscreen extent 0,-205 265,50, body extent -28,-206 297,50, height 140
TESTPOINT [mil]
  round 90 hole 65: 1(0,0)
  silkscreen extent -50,-50 70,50, body extent -54,-52 54,52, height 254
USB_F_MINI [mm]
  round 0.9 hole 0.9 unplated: 0(-2.6,-2.2) 0(-2.6,2.2)
  rect 2.3x0.5 smd: 1(0,1.6) 2(0,0.8) 3(0,0) 4(0,-0.8) 5(0,-1.6)
  rect 2x2 smd: M1(-5.35,4.45) M2(0.15,4.45) M3(-5.35,-4.45) M4(0.15,-4.45)
  silkscreen extent -7.85,-3.65 0.91,3.7, body extent -8.35,-4.95 1.05,4.95, height 3.95
"XTAL 6035" [mm] "6035 Quartz"
  rrect50% 2x1.3 smd: 1(-2.3,1.25)
  rect 2x1.3 smd: 2(2.3,1.25) 3(2.3,-1.25) 4(-2.3,-1.25)
  silkscreen extent -3.5,-2.1 3.5,2.1, body extent -3,-1.8 3,1.8, height 1.21